# Allegro board 6089-119-RevB_08.brd (continued)
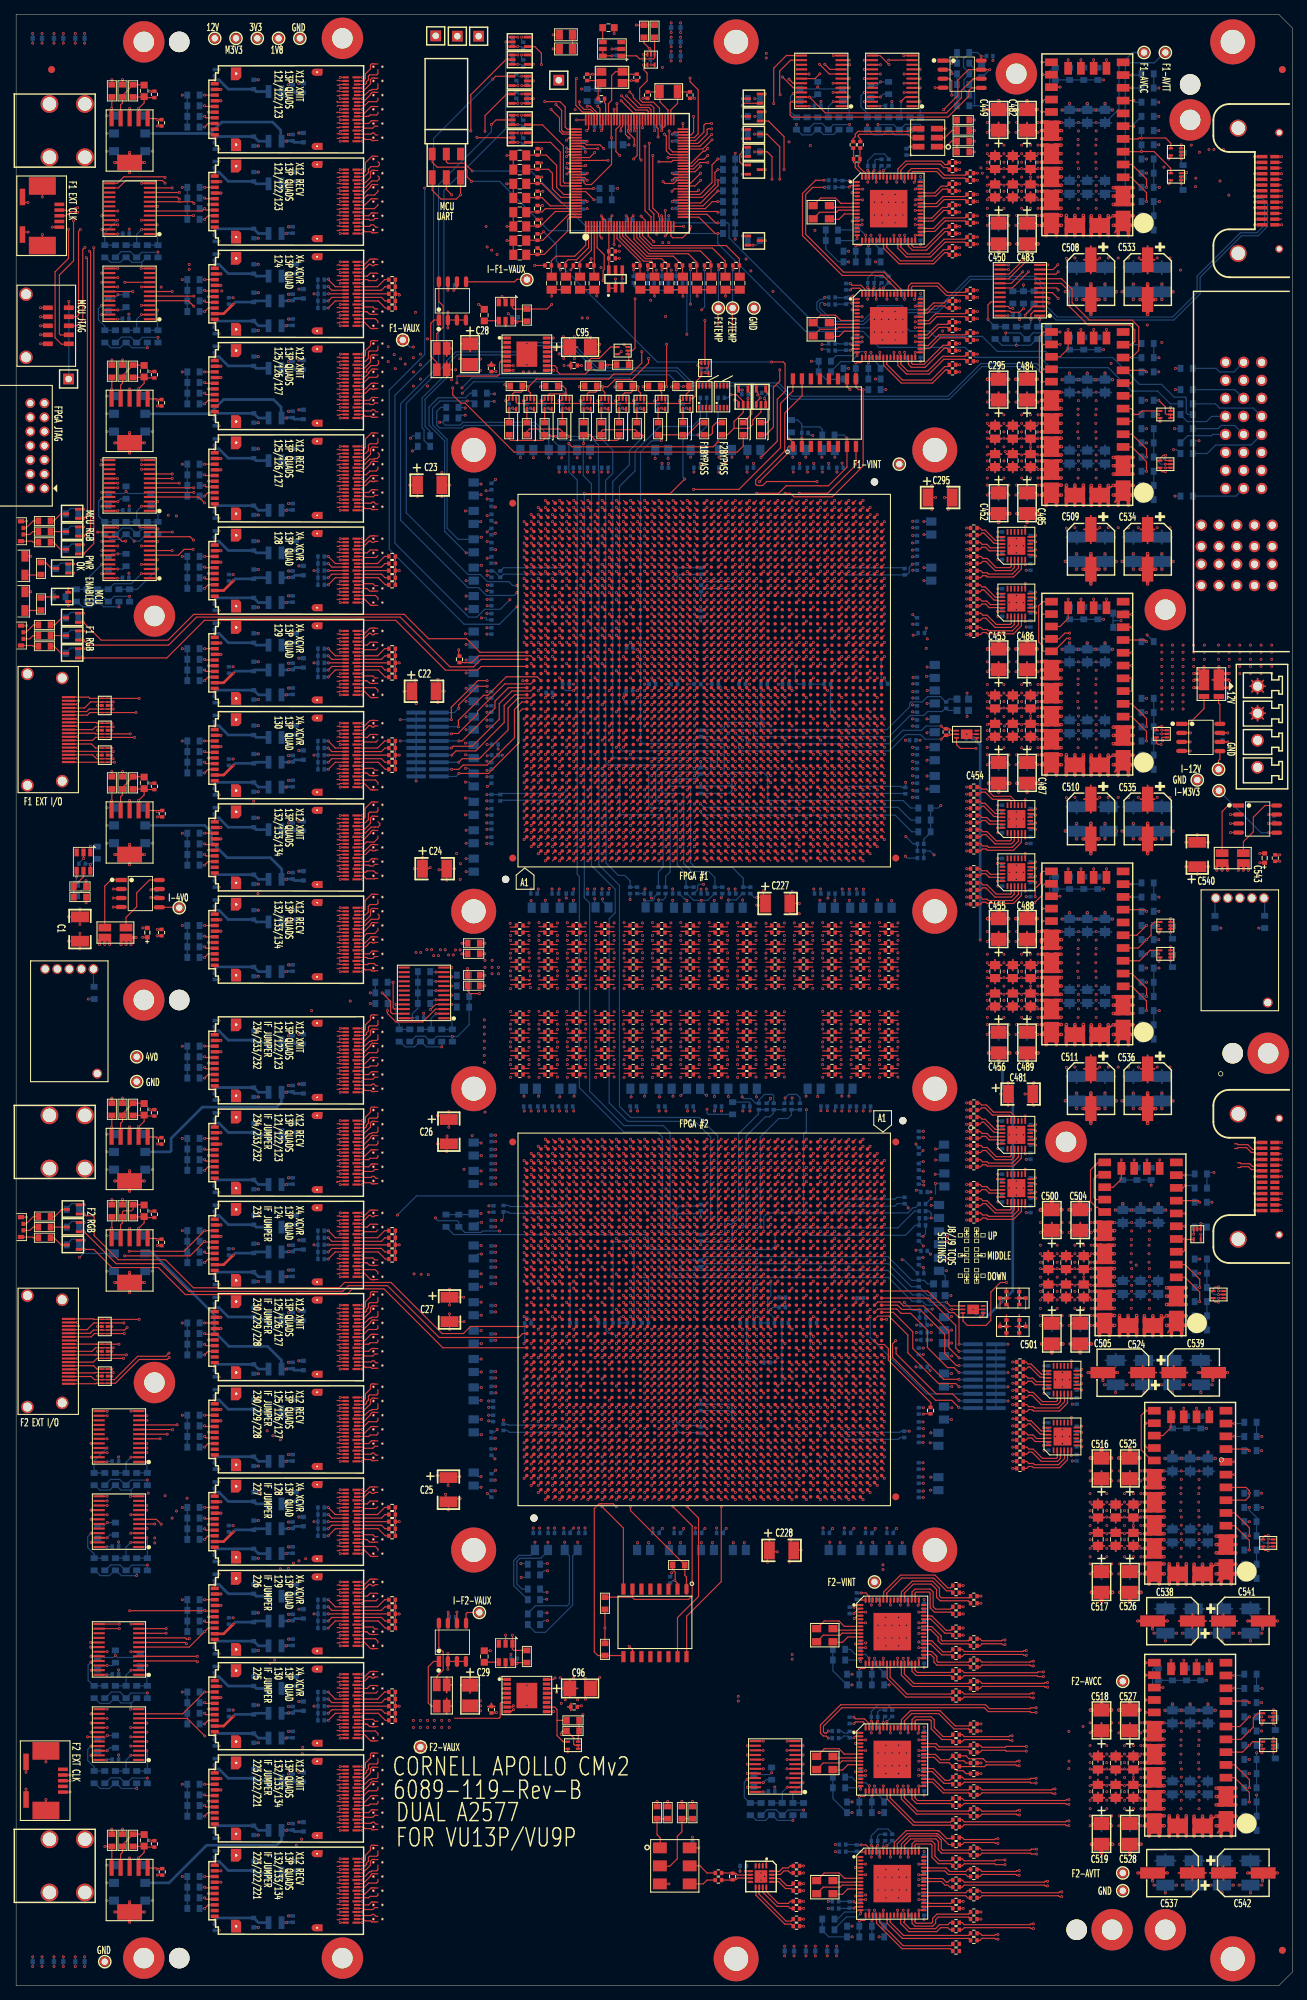
[diagram p0: board, top side]
## Routing (per net, layer and track width the routed paths; a pad name or vN(x,y) marks a point on that pad's centre or on a via; arc(x,y) is an arc through that point) (continued)
NF1_FF3_RECV5: length 81.7
  TOP w0.165: U75.E47 75.61,205.29 ; U33.B11 45.65,146.9 45.58,146.97 45.25,146.97
  SIG4 w0.083: 45.25,146.97 45.45,146.77 arc(45.48,146.75) 45.51,146.75 48.9,146.75 arc(49.09,146.71) 49.25,146.6 arc(49.42,146.49) 49.61,146.45 51.06,146.45 arc(51.89,146.62) 52.59,147.08 63.37,157.86 arc(63.68,158.33) 63.79,158.89 63.79,198.56 arc(63.93,199.28) 64.34,199.88 69.88,205.42 arc(70.38,205.76) 70.97,205.87 73.81,205.87 arc(74.09,205.75) 74.21,205.47 74.21,205.16 arc(74.29,204.98) 74.47,204.9 75.39,204.9 arc(75.54,204.97) 75.61,205.12 75.61,205.29
NF1_FF3_RECV6: length 74.5
  TOP w0.165: U75.D49 74.61,207.29 ; 48.05,148.4 U33.A8 48.9,148.4 49.95,149.45 49.95,149.57 50.19,149.81 50.54,149.81 50.57,149.78 51,149.78
  SIG3 w0.083: 51,149.78 51.64,149.78 arc(51.77,149.76) 51.88,149.68 52,149.56 52.05,149.56 arc(52.08,149.55) 52.11,149.54 52.11,149.53 arc(52.14,149.51) 52.17,149.5 52.27,149.5 arc(52.91,149.63) 53.45,149.99 62.34,158.89 arc(62.67,159.39) 62.79,159.98 62.79,197.58 arc(62.93,198.28) 63.33,198.88 70.99,206.54 arc(71.39,206.8) 71.86,206.9 74.3,206.9 arc(74.52,206.99) 74.61,207.2 74.61,207.29
NF1_FF3_RECV7: length 80.7
  TOP w0.165: U33.B8 45.65,148.4 45.58,148.47 45.25,148.47 ; U75.E51 75.61,209.29
  SIG4 w0.083: 75.61,209.29 75.61,209.15 arc(75.54,208.99) 75.38,208.92 73.02,208.92 arc(72.38,208.8) 71.83,208.44 63.37,199.97 arc(62.94,199.33) 62.79,198.57 62.79,160.38 arc(62.6,159.42) 62.05,158.6 52.49,149.04 arc(51.95,148.68) 51.31,148.55 49.54,148.55 arc(49.41,148.52) 49.3,148.45 arc(49.07,148.3) 48.81,148.25 45.51,148.25 arc(45.48,148.25) 45.45,148.27 45.25,148.47
NF1_FF3_RECV8: length 76.6
  TOP w0.165: 48.05,149.9 U33.A5 49.06,149.9 49.95,150.79 49.95,151.57 50.19,151.81 50.54,151.81 50.57,151.78 51,151.78 ; U75.F49 76.61,207.29
  SIG3 w0.083: 51,151.78 51.64,151.78 arc(51.77,151.76) 51.88,151.68 52,151.56 52.05,151.56 arc(52.08,151.55) 52.11,151.54 52.11,151.53 arc(52.14,151.51) 52.17,151.5 52.27,151.5 arc(52.91,151.63) 53.45,151.99 61.18,159.72 arc(61.63,160.4) 61.79,161.21 61.79,197.19 arc(62.01,198.31) 62.64,199.25 70.75,207.36 arc(71.02,207.58) 71.33,207.76 arc(71.54,207.82) 71.75,207.85 74.73,207.85 arc(75.09,207.7) 75.23,207.35 75.23,207.18 arc(75.32,206.98) 75.52,206.9 76.29,206.9 arc(76.29,206.9) 76.3,206.9 arc(76.52,206.99) 76.61,207.21 76.61,207.29
NF1_FF3_RECV9: length 82.8
  TOP w0.165: U75.G51 77.61,209.29 ; U33.B5 45.65,149.9 45.58,149.97 45.25,149.97
  SIG4 w0.083: 77.61,209.29 77.61,209.28 arc(77.5,209.03) 77.25,208.92 76.42,208.92 arc(76.26,208.99) 76.19,209.15 76.19,209.44 arc(76.05,209.81) 75.69,209.96 72.49,209.96 arc(72.04,209.87) 71.66,209.61 62.38,200.33 arc(61.94,199.68) 61.79,198.9 61.79,161.15 arc(61.64,160.4) 61.21,159.76 52.56,151.1 arc(51.89,150.66) 51.1,150.5 50.2,150.5 arc(49.74,150.41) 49.35,150.15 arc(48.9,149.85) 48.37,149.75 45.51,149.75 arc(45.48,149.75) 45.45,149.77 45.25,149.97
NF1_FF3_RECV10: length 79.4
  TOP w0.165: U33.A2 48.66,151.4 48.66,151.4 48.85,151.4 48.96,151.51 49.03,151.51 49.2,151.68 49.2,152.89 50.12,153.81 50.54,153.81 50.57,153.78 51,153.78 ; U75.H49 78.61,207.29
  SIG3 w0.083: 78.61,207.29 78.59,207.21 arc(78.51,207.05) 78.35,206.95 78.27,206.92 arc(78.23,206.91) 78.19,206.91 77.4,206.91 arc(77.27,206.97) 77.21,207.1 77.21,208.45 arc(77.07,208.77) 76.75,208.91 72.76,208.91 72.64,209.03 72.31,209.03 72.19,208.91 71.5,208.91 arc(71,208.81) 70.58,208.53 61.35,199.29 arc(60.94,198.68) 60.79,197.95 60.79,162.36 arc(60.63,161.55) 60.17,160.87 53.13,153.83 arc(52.77,153.59) 52.35,153.5 52.17,153.5 arc(52.14,153.51) 52.11,153.53 52.11,153.54 arc(52.08,153.55) 52.05,153.56 52,153.56 51.88,153.68 arc(51.77,153.76) 51.64,153.78 51,153.78
NF1_FF3_RECV11: length 85
  TOP w0.165: U75.J51 79.61,209.29 ; U33.B2 45.65,151.4 45.58,151.47 45.25,151.47
  SIG4 w0.083: 45.25,151.47 45.45,151.27 arc(45.48,151.25) 45.51,151.25 47.9,151.25 arc(48.82,151.43) 49.6,151.95 arc(50.1,152.28) 50.69,152.4 50.96,152.4 arc(51.65,152.54) 52.23,152.93 59.99,160.69 arc(60.58,161.57) 60.79,162.62 60.79,199.32 arc(60.93,200.02) 61.33,200.61 67.11,206.4 71.24,210.53 arc(71.66,210.81) 72.16,210.91 78.35,210.91 arc(78.64,210.85) 78.89,210.68 arc(79.12,210.34) 79.2,209.93 79.2,209.06 arc(79.27,208.91) 79.42,208.85 arc(79.55,208.9) 79.61,209.04 79.61,209.29
NF1_FF3_XMIT0: length 59.8
  TOP w0.165: U75.C38 73.61,196.29 ; 45.25,156.97 45.58,156.97 45.65,156.9 U32.B17
  SIG1 w0.083: 45.25,156.97 45.45,156.77 arc(45.48,156.75) 45.51,156.75 48.35,156.75 arc(49,156.62) 49.55,156.25 49.68,156.12 arc(50.31,155.7) 51.05,155.55 51.42,155.55 arc(52.1,155.68) 52.67,156.07 63.32,166.72 arc(63.74,167.35) 63.89,168.09 63.89,186.58 arc(64.06,187.42) 64.53,188.13 66.74,190.34 arc(66.93,190.62) 67,190.96 67,191.24 arc(67.1,191.76) 67.4,192.2 70.8,195.6 arc(71.13,195.82) 71.51,195.9 73.53,195.9 arc(73.58,195.92) 73.61,195.98 73.61,196.29
NF1_FF3_XMIT1: length 53.4
  TOP w0.165: 51,156.78 50.72,156.78 50.41,157.09 49.48,157.09 49.29,156.9 U32.A17 ; U75.A38 71.61,196.29
  SIG2 w0.083: 51,156.78 51.64,156.78 arc(51.77,156.76) 51.88,156.68 52,156.56 52.05,156.56 arc(52.08,156.55) 52.11,156.54 52.11,156.53 arc(52.14,156.51) 52.17,156.5 52.55,156.5 52.55,156.51 52.7,156.51 arc(53.08,156.58) 53.4,156.8 69.02,172.42 arc(69.59,173.27) 69.79,174.27 69.79,194.21 arc(69.9,194.74) 70.2,195.2 70.55,195.55 arc(70.94,195.81) 71.4,195.9 arc(71.55,195.96) 71.61,196.11 71.61,196.29
NF1_FF3_XMIT2: length 59
  TOP w0.165: U32.B14 45.65,158.4 45.58,158.47 45.25,158.47 ; U75.B40 72.61,198.29
  SIG1 w0.083: 45.25,158.47 45.45,158.27 arc(45.48,158.25) 45.51,158.25 48.59,158.25 arc(48.97,158.17) 49.3,157.95 arc(49.8,157.62) 50.39,157.5 51.03,157.5 arc(51.74,157.64) 52.35,158.05 62.39,168.08 arc(62.69,168.53) 62.79,169.06 62.79,188.56 arc(62.92,189.19) 63.27,189.72 66.57,193.02 arc(66.7,193.22) 66.75,193.45 66.75,193.72 arc(66.85,194.25) 67.15,194.7 70.05,197.6 arc(70.38,197.82) 70.76,197.9 72.44,197.9 72.53,197.9 arc(72.58,197.92) 72.61,197.98 72.61,198.29
NF1_FF3_XMIT3: length 55.2
  TOP w0.165: U75.A42 71.61,200.29 ; U32.A14 49.7,158.4 50.08,158.78 50.16,158.78 50.19,158.81 50.54,158.81 50.57,158.78 51,158.78
  SIG2 w0.083: 71.61,200.29 71.61,200.07 arc(71.56,199.96) 71.45,199.91 71.23,199.91 arc(70.89,199.84) 70.6,199.65 69.36,198.41 arc(68.94,197.78) 68.79,197.03 68.79,175.34 arc(68.63,174.56) 68.19,173.89 53.24,158.94 arc(52.76,158.62) 52.19,158.5 52.17,158.5 arc(52.14,158.51) 52.11,158.53 52.11,158.54 arc(52.08,158.55) 52.05,158.56 52,158.56 51.88,158.68 arc(51.77,158.76) 51.64,158.78 51,158.78
NF1_FF3_XMIT4: length 61.9
  TOP w0.165: U75.E42 75.61,200.29 ; 45.25,159.97 45.58,159.97 45.65,159.9 U32.B11
  SIG1 w0.083: 45.25,159.97 45.45,159.77 arc(45.48,159.75) 45.51,159.75 48.9,159.75 arc(49.09,159.71) 49.25,159.6 arc(49.42,159.49) 49.61,159.45 50.99,159.45 arc(51.69,159.59) 52.29,159.99 61.32,169.02 arc(61.67,169.54) 61.79,170.15 61.79,190.53 arc(61.97,191.46) 62.5,192.25 66.51,196.25 66.71,196.46 66.71,196.46 69.56,199.3 arc(70.22,199.75) 71,199.9 75.35,199.9 arc(75.53,199.98) 75.61,200.16 75.61,200.29
NF1_FF3_XMIT5: length 57.1
  TOP w0.165: 51,160.78 50.57,160.78 50.54,160.81 50.19,160.81 50.16,160.78 50.03,160.78 49.15,159.9 U32.A11 48.05,159.9 ; U75.C42 73.61,200.29
  SIG2 w0.083: 51,160.78 51.64,160.78 arc(51.77,160.76) 51.88,160.68 52,160.56 52.05,160.56 arc(52.08,160.55) 52.11,160.54 52.11,160.53 arc(52.14,160.51) 52.17,160.5 52.28,160.5 arc(52.77,160.6) 53.17,160.87 66.86,174.56 arc(67.55,175.59) 67.79,176.81 67.79,197.13 arc(67.97,198.06) 68.5,198.85 70.04,200.39 arc(70.62,200.77) 71.3,200.91 71.54,200.91 arc(71.81,200.85) 72.05,200.7 arc(72.17,200.52) 72.21,200.31 72.21,200.2 arc(72.23,200.1) 72.29,200.01 72.3,200 arc(72.4,199.93) 72.51,199.91 73.35,199.91 arc(73.53,199.99) 73.61,200.17 73.61,200.29
NF1_FF3_XMIT6: length 59
  TOP w0.165: 45.25,161.47 45.58,161.47 45.65,161.4 U32.B8 ; U75.B44 72.61,202.29
  SIG1 w0.083: 45.25,161.47 45.45,161.27 arc(45.48,161.25) 45.51,161.25 48.63,161.25 arc(48.95,161.28) 49.26,161.4 arc(49.57,161.51) 49.89,161.55 51.52,161.55 arc(52.1,161.67) 52.59,161.99 60.26,169.66 arc(60.65,170.25) 60.79,170.95 60.79,191.72 arc(60.93,192.42) 61.32,193.01 69.54,201.23 arc(70.28,201.72) 71.16,201.9 72.35,201.9 arc(72.53,201.97) 72.61,202.15 72.61,202.29
NF1_FF3_XMIT7: length 57.1
  TOP w0.165: U75.D44 74.61,202.29 ; 51,162.78 50.57,162.78 50.54,162.81 50.19,162.81 49.95,162.57 49.95,162.45 48.9,161.4 U32.A8 48.05,161.4
  SIG2 w0.083: 74.61,202.29 74.61,202.22 arc(74.52,202) 74.3,201.91 71.15,201.91 arc(70.24,201.73) 69.47,201.21 67.66,199.4 arc(67.02,198.45) 66.8,197.34 66.8,177.31 arc(66.6,176.28) 66.02,175.42 53.7,163.1 arc(53.04,162.66) 52.26,162.5 52.17,162.5 arc(52.14,162.51) 52.11,162.53 52.11,162.54 arc(52.08,162.55) 52.05,162.56 52,162.56 51.88,162.68 arc(51.77,162.76) 51.64,162.78 51,162.78
NF1_FF3_XMIT8: length 63.7
  TOP w0.165: 45.25,162.97 45.58,162.97 45.65,162.9 U32.B5 ; U75.F44 76.61,202.29
  SIG1 w0.083: 76.61,202.29 76.61,202.12 arc(76.55,201.97) 76.4,201.91 74.5,201.91 arc(74.33,201.98) 74.26,202.15 74.26,202.36 arc(74.12,202.71) 73.77,202.85 69.84,202.85 arc(69.02,202.69) 68.33,202.23 60.69,194.59 arc(60.02,193.59) 59.79,192.41 59.79,171.68 arc(59.61,170.77) 59.09,169.99 53.21,164.11 arc(52.53,163.66) 51.74,163.5 50.19,163.5 arc(49.74,163.41) 49.35,163.15 arc(48.9,162.85) 48.37,162.75 45.51,162.75 arc(45.48,162.75) 45.45,162.77 45.25,162.97
NF1_FF3_XMIT9: length 61.1
  TOP w0.165: 48.05,162.9 U32.A5 49.06,162.9 49.95,163.8 49.95,164.23 49.95,164.23 49.95,164.57 50.19,164.81 50.54,164.81 50.57,164.78 51,164.78 ; U75.G46 77.61,204.29
  SIG2 w0.083: 51,164.78 51.64,164.78 arc(51.77,164.76) 51.88,164.68 52,164.56 52.05,164.56 arc(52.08,164.55) 52.11,164.54 52.11,164.53 arc(52.14,164.51) 52.17,164.5 52.43,164.5 arc(53.52,164.72) 54.44,165.34 54.44,165.34 64.33,175.23 arc(64.79,175.92) 64.95,176.73 64.95,197.96 arc(65.11,198.78) 65.57,199.47 69.09,202.99 arc(70.06,203.63) 71.2,203.86 77.35,203.86 arc(77.53,203.94) 77.61,204.12 77.61,204.29
NF1_FF3_XMIT10: length 66.4
  TOP w0.165: U32.B2 45.65,164.4 45.58,164.47 45.25,164.47 ; U75.H44 78.61,202.29
  SIG1 w0.083: 78.61,202.29 78.61,202.21 arc(78.52,201.99) 78.3,201.9 77.5,201.9 arc(77.29,201.99) 77.2,202.2 77.2,203.35 arc(77.05,203.7) 76.7,203.85 69.19,203.85 arc(68.37,203.69) 67.68,203.23 59.53,195.08 arc(58.98,194.26) 58.79,193.29 58.79,172.39 arc(58.63,171.56) 58.16,170.85 53.15,165.85 arc(52.66,165.52) 52.07,165.4 50.69,165.4 arc(50.1,165.28) 49.6,164.95 arc(48.82,164.43) 47.9,164.25 45.51,164.25 arc(45.48,164.25) 45.45,164.27 45.25,164.47
NF1_FF3_XMIT11: length 63.7
  TOP w0.165: U32.A2 48.66,164.4 48.66,164.4 48.91,164.4 49.2,164.68 49.2,165.89 50.12,166.81 50.54,166.81 50.57,166.78 51,166.78 ; U75.J46 79.61,204.29
  SIG2 w0.083: 51,166.78 51.64,166.78 arc(51.77,166.76) 51.88,166.68 52,166.56 52.05,166.56 arc(52.08,166.55) 52.11,166.54 52.11,166.53 arc(52.14,166.51) 52.17,166.5 52.39,166.5 arc(53.7,166.76) 54.81,167.51 58.92,171.62 arc(59.57,172.58) 59.79,173.71 59.79,194.56 arc(59.93,195.28) 60.34,195.88 68.49,204.04 arc(69.46,204.68) 70.6,204.91 77.7,204.91 arc(78.06,204.76) 78.21,204.4 78.21,204.15 arc(78.28,203.98) 78.45,203.91 79.35,203.91 arc(79.53,203.99) 79.61,204.17 79.61,204.29
NF1_FF4_RECV0: length 83.5
  TOP w0.165: U75.BA51 112.39,209.29 ; U26.B18 45.65,234.4 45.56,234.31 45.25,234.31
  SIG4 w0.083: 45.25,234.31 45.45,234.51 arc(45.48,234.53) 45.51,234.54 48.96,234.54 arc(49.3,234.6) 49.6,234.8 arc(49.64,234.83) 49.69,234.84 53.64,234.84 arc(53.75,234.82) 53.85,234.75 64.14,224.46 arc(65,223.89) 66,223.69 94.79,223.69 arc(95.78,223.49) 96.61,222.94 109.29,210.26 arc(109.66,209.71) 109.79,209.05 109.79,208.11 arc(109.91,207.81) 110.21,207.69 112.53,207.69 arc(112.86,207.83) 113,208.16 113,208.5 arc(112.88,208.78) 112.6,208.9 112.47,208.9 arc(112.42,208.92) 112.39,208.98 112.39,209.29
NF1_FF4_RECV1: length 80.8
  TOP w0.165: U75.AY49 111.39,207.29 ; U26.A18 49.1,234.4 49.98,233.52 50.16,233.52 50.19,233.49 50.54,233.49 50.57,233.52 51,233.52
  SIG3 w0.083: 111.39,207.29 111.39,206.98 arc(111.42,206.92) 111.47,206.9 111.6,206.9 arc(111.88,206.78) 112,206.5 112,206.16 arc(111.86,205.83) 111.53,205.69 109.21,205.69 arc(108.91,205.81) 108.79,206.11 108.79,210 arc(108.65,210.71) 108.25,211.3 97.53,222.03 arc(96.79,222.52) 95.92,222.69 66.92,222.69 arc(65.99,222.88) 65.2,223.4 55.45,233.15 arc(54.74,233.63) 53.9,233.8 52.17,233.8 arc(52.14,233.79) 52.11,233.77 52.11,233.76 arc(52.08,233.75) 52.05,233.74 52,233.74 51.88,233.62 arc(51.77,233.54) 51.64,233.52 51,233.52
NF1_FF4_RECV2: length 81.1
  TOP w0.165: U26.B15 45.65,235.9 45.56,235.81 45.25,235.81 ; U75.AW51 110.39,209.29
  SIG4 w0.083: 45.25,235.81 45.45,236.01 arc(45.48,236.03) 45.51,236.04 48.82,236.04 arc(49.3,236.13) 49.7,236.4 arc(50.09,236.66) 50.55,236.75 53.23,236.75 arc(53.81,236.63) 54.3,236.31 55.43,235.17 arc(55.45,235.14) 55.43,235.1 arc(55.41,235.06) 55.43,235.02 55.59,234.86 arc(55.62,234.85) 55.66,234.86 arc(55.7,234.88) 55.74,234.86 55.9,234.71 arc(55.91,234.67) 55.9,234.63 arc(55.88,234.59) 55.9,234.55 56.05,234.4 arc(56.09,234.38) 56.13,234.4 arc(56.17,234.41) 56.21,234.4 56.36,234.24 arc(56.38,234.2) 56.36,234.16 56.36,234.16 arc(56.35,234.13) 56.36,234.09 56.52,233.93 arc(56.56,233.91) 56.6,233.93 arc(56.63,233.95) 56.67,233.93 56.83,233.77 arc(56.85,233.74) 56.83,233.7 56.83,233.7 arc(56.81,233.66) 56.83,233.62 56.99,233.46 arc(57.02,233.45) 57.06,233.46 arc(57.1,233.48) 57.14,233.46 57.3,233.31 arc(57.31,233.27) 57.3,233.23 arc(57.28,233.19) 57.3,233.15 57.45,233 arc(57.49,232.98) 57.53,233 arc(57.57,233.01) 57.61,233 65.21,225.39 arc(65.99,224.87) 66.91,224.69 96.15,224.69 arc(96.53,224.61) 96.85,224.4 110.51,210.74 arc(110.73,210.42) 110.8,210.05 110.8,209.14 arc(110.73,208.97) 110.56,208.9 110.47,208.9 arc(110.42,208.92) 110.39,208.98 110.39,209.29
NF1_FF4_RECV3: length 78.2
  TOP w0.165: 51,235.52 50.57,235.52 50.54,235.49 50.19,235.49 50.16,235.52 49.83,235.52 49.49,235.86 49.3,235.86 49.26,235.9 U26.A15 ; U75.AV49 109.39,207.29
  SIG3 w0.083: 109.39,207.29 109.39,206.98 arc(109.42,206.92) 109.47,206.9 109.56,206.9 arc(109.73,206.97) 109.8,207.14 109.8,210.47 arc(109.62,211.38) 109.11,212.15 98.06,223.19 arc(97.51,223.56) 96.86,223.69 67.36,223.69 arc(66.95,223.77) 66.6,224 63.12,227.48 arc(63.07,227.5) 63.02,227.48 arc(62.97,227.46) 62.91,227.48 62.78,227.61 arc(62.76,227.66) 62.78,227.72 arc(62.81,227.77) 62.78,227.82 62.66,227.95 arc(62.6,227.97) 62.55,227.95 arc(62.5,227.93) 62.45,227.95 62.32,228.08 arc(62.3,228.13) 62.32,228.18 arc(62.34,228.23) 62.32,228.29 62.19,228.42 arc(62.14,228.44) 62.08,228.42 arc(62.03,228.39) 61.98,228.42 61.85,228.54 arc(61.83,228.6) 61.85,228.65 arc(61.87,228.7) 61.85,228.75 61.72,228.88 arc(61.67,228.9) 61.62,228.88 arc(61.57,228.86) 61.51,228.88 61.38,229.01 arc(61.36,229.06) 61.38,229.12 arc(61.41,229.17) 61.38,229.22 55.48,235.12 arc(54.74,235.62) 53.86,235.8 52.17,235.8 arc(52.14,235.79) 52.11,235.77 52.11,235.76 arc(52.08,235.75) 52.05,235.74 52,235.74 51.88,235.62 arc(51.77,235.54) 51.64,235.52 51,235.52
NF1_FF4_XMIT0: length 86.2
  TOP w0.165: U75.BA46 112.39,204.29 ; 51,243.28 50.57,243.28 50.54,243.31 50.19,243.31 50.16,243.28 49.88,243.28 49,242.4 U26.A2
  SIG2 w0.083: 112.39,204.29 112.39,204.03 arc(112.38,203.98) 112.36,203.94 arc(112.31,203.91) 112.25,203.9 112.14,203.9 arc(112.05,203.94) 112.01,204.03 112.01,210.98 arc(111.82,211.91) 111.29,212.71 98.82,225.18 arc(98.02,225.71) 97.08,225.9 71.41,225.9 arc(70.38,226.11) 69.51,226.69 53.59,242.6 arc(53.15,242.9) 52.62,243 52.17,243 arc(52.14,243.01) 52.11,243.03 52.11,243.04 arc(52.08,243.05) 52.05,243.06 52,243.06 51.88,243.18 arc(51.77,243.26) 51.64,243.28 51,243.28
NF1_FF4_XMIT1: length 89.8
  TOP w0.165: 45.25,242.47 45.58,242.47 45.65,242.4 U26.B2 ; U75.AY44 111.39,202.29
  SIG1 w0.083: 45.25,242.47 45.45,242.27 arc(45.48,242.25) 45.51,242.25 49.25,242.25 arc(49.44,242.21) 49.6,242.1 arc(49.77,241.99) 49.96,241.95 53.6,241.95 arc(54.2,241.83) 54.71,241.49 69.78,226.42 arc(70.35,226.03) 71.03,225.9 94.99,225.9 arc(95.6,225.78) 96.11,225.44 110.69,210.86 arc(110.93,210.51) 111.01,210.09 111.01,202.03 arc(111.05,201.94) 111.14,201.9 111.25,201.9 arc(111.31,201.91) 111.36,201.94 arc(111.38,201.98) 111.39,202.03 111.39,202.29
NF1_FF4_XMIT2: length 83
  TOP w0.165: U75.AW46 110.39,204.29 ; U26.A5 49.5,240.9 49.91,241.31 50.75,241.31 50.78,241.28 51,241.28
  SIG2 w0.083: 51,241.28 51.64,241.28 arc(51.77,241.26) 51.88,241.18 52,241.06 52.05,241.06 arc(52.08,241.05) 52.11,241.04 52.11,241.03 arc(52.14,241.01) 52.17,241 52.42,241 arc(52.86,240.92) 53.23,240.67 68.38,225.52 arc(69.07,225.06) 69.88,224.9 96.15,224.9 arc(96.61,224.81) 97.01,224.54 109.2,212.35 arc(109.8,211.45) 110.01,210.39 110.01,204.03 arc(110.05,203.94) 110.14,203.9 110.25,203.9 arc(110.31,203.91) 110.36,203.94 arc(110.38,203.98) 110.39,204.03 110.39,204.29
NF1_FF4_XMIT3: length 87.2
  TOP w0.165: U26.B5 45.75,240.9 45.69,240.96 45.26,240.96 ; U75.AV44 109.39,202.29
  SIG1 w0.083: 109.39,202.29 109.39,202.03 arc(109.38,201.98) 109.36,201.94 arc(109.31,201.91) 109.25,201.9 109.14,201.9 arc(109.05,201.94) 109.01,202.03 109.01,210.25 arc(108.9,210.8) 108.59,211.26 95.51,224.34 arc(94.89,224.75) 94.16,224.9 69.59,224.9 arc(69.04,225.01) 68.58,225.32 54.43,239.47 arc(53.84,239.86) 53.15,240 50.82,240 arc(50.29,240.1) 49.85,240.4 arc(49.47,240.66) 49.02,240.75 45.61,240.75 45.6,240.73 45.49,240.73 45.26,240.96
NF1_FF5_RECV0: length 67.8
  TOP w0.165: 45.25,195.31 45.56,195.31 45.65,195.4 U29.B18 ; U75.AE51 95.61,209.29
  SIG4 w0.083: 45.25,195.31 45.45,195.51 arc(45.48,195.53) 45.51,195.54 48.96,195.54 arc(49.3,195.6) 49.6,195.8 arc(49.64,195.83) 49.69,195.84 50.67,195.84 arc(51.44,195.99) 52.09,196.43 55.56,199.9 arc(55.59,199.94) 55.63,199.98 arc(55.87,200.39) 55.99,200.85 arc(56,200.9) 56,200.95 arc(56.05,201.19) 56.19,201.39 70.16,215.36 arc(70.53,215.6) 70.96,215.69 86.95,215.69 arc(87.47,215.59) 87.9,215.3 93.04,210.16 93.04,208.18 arc(93.08,207.98) 93.2,207.81 arc(93.38,207.68) 93.6,207.64 95.83,207.64 arc(95.97,207.67) 96.1,207.75 arc(96.22,207.93) 96.26,208.14 96.26,208.41 arc(96.12,208.75) 95.77,208.9 95.69,208.9 arc(95.63,208.92) 95.61,208.98 95.61,209.29
NF1_FF5_RECV1: length 64
  TOP w0.165: U29.A18 49.1,195.4 49.98,194.52 50.16,194.52 50.19,194.49 50.54,194.49 50.57,194.52 51,194.52 ; U75.AD49 94.61,207.29
  SIG3 w0.083: 94.61,207.29 94.61,206.98 arc(94.63,206.92) 94.69,206.9 94.77,206.9 arc(95.12,206.75) 95.26,206.41 95.26,206.14 arc(95.22,205.93) 95.1,205.75 arc(94.97,205.67) 94.83,205.64 92.6,205.64 arc(92.38,205.68) 92.2,205.81 arc(92.08,205.98) 92.04,206.18 92.04,209.2 arc(91.92,209.81) 91.57,210.33 88.77,213.13 arc(88.15,213.54) 87.41,213.69 71.6,213.69 arc(70.2,213.41) 69.02,212.62 56.59,200.19 arc(56.15,199.54) 56,198.78 arc(56,198.77) 56,198.77 arc(55.78,197.74) 55.21,196.86 53.66,195.31 arc(53.09,194.93) 52.41,194.8 52.17,194.8 52.14,194.79 52.11,194.77 52.11,194.76 arc(52.08,194.75) 52.05,194.74 52,194.74 51.88,194.62 arc(51.77,194.54) 51.64,194.52 51,194.52
NF1_FF5_RECV2: length 63.9
  TOP w0.165: U75.AC51 93.61,209.29 ; 45.25,196.81 45.56,196.81 45.65,196.9 U29.B15
  SIG4 w0.083: 93.61,209.29 93.61,208.98 arc(93.63,208.92) 93.69,208.9 93.77,208.9 arc(93.93,208.96) 93.99,209.11 93.99,210.41 88.11,216.3 arc(87.67,216.59) 87.16,216.69 70.91,216.69 arc(70.15,216.54) 69.51,216.11 55.91,202.51 arc(55.89,202.47) 55.91,202.42 arc(55.93,202.38) 55.91,202.34 55.77,202.19 arc(55.72,202.17) 55.68,202.19 arc(55.63,202.21) 55.59,202.19 55.44,202.04 arc(55.43,202) 55.44,201.96 arc(55.46,201.91) 55.44,201.87 55.3,201.72 arc(55.25,201.71) 55.21,201.72 55.21,201.72 arc(55.17,201.74) 55.12,201.72 54.98,201.58 arc(54.96,201.53) 54.98,201.49 arc(55,201.45) 54.98,201.4 54.83,201.26 arc(54.79,201.24) 54.74,201.26 arc(54.7,201.27) 54.66,201.26 54.51,201.11 arc(54.49,201.07) 54.51,201.02 arc(54.53,200.98) 54.51,200.94 54.36,200.79 arc(54.32,200.77) 54.28,200.79 arc(54.23,200.81) 54.19,200.79 54.04,200.64 arc(54.03,200.6) 54.04,200.56 arc(54.06,200.51) 54.04,200.47 53.9,200.32 arc(53.85,200.3) 53.81,200.32 53.81,200.32 arc(53.77,200.34) 53.72,200.32 51.6,198.2 arc(51.56,198.17) 51.52,198.13 arc(51.1,197.89) 50.63,197.76 arc(50.57,197.75) 50.52,197.75 arc(50.08,197.65) 49.7,197.4 arc(49.3,197.13) 48.82,197.04 45.51,197.04 arc(45.48,197.03) 45.45,197.01 45.25,196.81
NF1_FF5_RECV3: length 60.2
  TOP w0.165: 51,196.52 50.57,196.52 50.54,196.49 50.19,196.49 50.16,196.52 49.83,196.52 49.49,196.86 49.3,196.86 49.26,196.9 U29.A15 ; U75.AB49 92.61,207.29
  SIG3 w0.083: 51,196.52 51.64,196.52 arc(51.77,196.54) 51.88,196.62 52,196.74 52.05,196.74 arc(52.08,196.75) 52.11,196.76 52.11,196.77 arc(52.14,196.79) 52.17,196.8 52.32,196.8 arc(53.13,196.96) 53.81,197.41 54.6,198.2 arc(54.9,198.64) 55,199.16 55,199.38 arc(55.15,200.14) 55.59,200.79 58.85,204.06 arc(58.91,204.08) 58.96,204.06 arc(59.01,204.03) 59.07,204.06 59.19,204.18 arc(59.22,204.24) 59.19,204.29 arc(59.17,204.34) 59.19,204.4 59.32,204.52 arc(59.37,204.55) 59.43,204.52 arc(59.48,204.5) 59.53,204.52 59.66,204.65 arc(59.68,204.7) 59.66,204.76 59.66,204.76 arc(59.64,204.81) 59.66,204.86 59.79,204.99 arc(59.84,205.01) 59.89,204.99 arc(59.95,204.97) 60,204.99 60.13,205.12 arc(60.15,205.17) 60.13,205.22 60.13,205.22 arc(60.1,205.28) 60.13,205.33 60.25,205.46 arc(60.31,205.48) 60.36,205.46 arc(60.41,205.44) 60.47,205.46 60.59,205.58 arc(60.62,205.64) 60.59,205.69 arc(60.57,205.74) 60.59,205.8 68.91,214.11 arc(69.55,214.54) 70.31,214.69 87.81,214.69 arc(88.46,214.56) 89.01,214.19 92.34,210.87 arc(92.86,210.09) 93.04,209.17 93.04,207.16 arc(92.96,206.97) 92.77,206.9 92.69,206.9 arc(92.63,206.92) 92.61,206.98 92.61,207.29
NF1_FF5_XMIT0: length 60.2
  TOP w0.165: 51,204.28 50.57,204.28 50.54,204.31 50.19,204.31 50.16,204.28 49.88,204.28 49,203.4 U29.A2 ; U75.AE46 95.61,204.29
  SIG2 w0.083: 95.61,204.29 95.61,204.02 arc(95.57,203.93) 95.48,203.9 95.39,203.9 arc(95.29,203.94) 95.25,204.04 95.25,209.05 arc(95.09,209.84) 94.65,210.5 92.14,213.01 arc(91.15,213.67) 89.99,213.9 66.18,213.9 arc(65.28,213.72) 64.51,213.21 56.05,204.75 arc(55.23,204.2) 54.26,204 52.17,204 arc(52.14,204.01) 52.11,204.03 52.11,204.04 arc(52.08,204.05) 52.05,204.06 52,204.06 51.88,204.18 arc(51.77,204.26) 51.64,204.28 51,204.28
NF1_FF5_XMIT1: length 65.8
  TOP w0.165: U29.B2 45.65,203.4 45.58,203.47 45.25,203.47 ; U75.AD44 94.61,202.29
  SIG1 w0.083: 94.61,202.29 94.61,202.02 arc(94.57,201.93) 94.48,201.9 94.39,201.9 arc(94.29,201.94) 94.25,202.04 94.25,210.03 arc(94.17,210.42) 93.95,210.75 91.52,213.18 arc(90.72,213.71) 89.77,213.9 66.28,213.9 arc(65.29,213.7) 64.44,213.14 54.61,203.3 arc(54.22,203.04) 53.75,202.95 49.96,202.95 arc(49.77,202.99) 49.6,203.1 arc(49.44,203.21) 49.25,203.25 45.51,203.25 arc(45.48,203.25) 45.45,203.27 45.25,203.47
NF1_FF5_XMIT2: length 58
  TOP w0.165: U29.A5 49.5,201.9 49.91,202.31 50.75,202.31 50.78,202.28 51,202.28 ; U75.AC46 93.61,204.29
  SIG2 w0.083: 93.61,204.29 93.61,204.02 arc(93.57,203.93) 93.48,203.9 93.39,203.9 arc(93.29,203.94) 93.25,204.04 93.25,209.1 arc(93.11,209.79) 92.72,210.38 90.92,212.18 arc(90.12,212.71) 89.17,212.9 66.98,212.9 arc(66.08,212.72) 65.31,212.21 55.95,202.84 arc(55.02,202.22) 53.92,202 52.17,202 arc(52.14,202.01) 52.11,202.03 52.11,202.04 arc(52.08,202.05) 52.05,202.06 52,202.06 51.88,202.18 arc(51.77,202.26) 51.64,202.28 51,202.28
NF1_FF5_XMIT3: length 63.6
  TOP w0.165: 45.25,201.97 45.58,201.97 45.65,201.9 U29.B5 ; U75.AB44 92.61,202.29
  SIG1 w0.083: 45.25,201.97 45.45,201.77 arc(45.48,201.75) 45.51,201.75 49.02,201.75 arc(49.47,201.66) 49.85,201.4 arc(50.29,201.1) 50.82,201 53.47,201 arc(54.06,201.12) 54.55,201.45 65.48,212.37 arc(66.06,212.76) 66.75,212.9 88.6,212.9 arc(89.25,212.77) 89.79,212.41 91.69,210.51 arc(92.1,209.89) 92.25,209.16 92.25,202.04 arc(92.29,201.94) 92.39,201.9 92.48,201.9 arc(92.57,201.93) 92.61,202.02 92.61,202.29
NF1_FF6_RECV0: length 74.4
  TOP w0.165: U30.B18 45.65,182.4 45.56,182.31 45.25,182.31 ; U75.AA51 91.61,209.29
  SIG4 w0.083: 91.61,209.29 91.61,208.98 arc(91.63,208.92) 91.69,208.9 91.77,208.9 arc(92.12,208.75) 92.26,208.41 92.26,208.14 arc(92.22,207.93) 92.1,207.75 arc(91.97,207.67) 91.83,207.64 89.6,207.64 arc(89.38,207.68) 89.2,207.81 arc(89.08,207.98) 89.04,208.18 89.04,209.37 arc(88.9,210.1) 88.48,210.72 85.92,213.28 arc(85.47,213.58) 84.93,213.69 72,213.69 arc(71.43,213.58) 70.95,213.26 58.44,200.74 arc(58.11,200.26) 58,199.68 58,188.62 arc(57.78,187.49) 57.14,186.54 54.17,183.57 arc(53.36,183.03) 52.4,182.84 49.69,182.84 arc(49.64,182.83) 49.6,182.8 arc(49.3,182.6) 48.96,182.54 45.51,182.54 arc(45.48,182.53) 45.45,182.51 45.25,182.31
NF1_FF6_RECV1: length 70.2
  TOP w0.165: U30.A18 49.1,182.4 49.98,181.52 50.16,181.52 50.19,181.49 50.54,181.49 50.57,181.52 51,181.52 ; U75.Y49 90.61,207.29
  SIG3 w0.083: 90.61,207.29 90.61,206.98 arc(90.63,206.92) 90.69,206.9 90.77,206.9 arc(91.12,206.75) 91.26,206.41 91.26,206.14 arc(91.22,205.93) 91.1,205.75 arc(90.97,205.67) 90.83,205.64 88.6,205.64 arc(88.38,205.68) 88.2,205.81 arc(88.08,205.98) 88.04,206.18 88.04,209.21 arc(87.89,209.95) 87.48,210.57 86.83,211.22 arc(86.31,211.57) 85.7,211.69 71.76,211.69 arc(70.44,211.43) 69.33,210.69 58.68,200.04 arc(58.18,199.28) 58,198.39 58,187.74 arc(57.78,186.64) 57.16,185.72 53.62,182.18 arc(53.2,181.89) 52.7,181.8 52.17,181.8 52.14,181.79 52.11,181.77 52.11,181.76 arc(52.08,181.75) 52.05,181.74 52,181.74 51.88,181.62 arc(51.77,181.54) 51.64,181.52 51,181.52